# Altium PCB RK_NVR_DEMO1_RK3588_LP4XD200P232SD8_V21_20211228_final_lint.PcbDoc (part 6 of 29)
Units mm, origin at the board's own origin, x right, y up, seen from the top; angles counter-clockwise.
Board outline 170.08 x 169.98 mm, 8 copper layers (TOP, L2-GND1, L3-POWER1, L4-S1, L5-GND2, L6-S2, L7-GND3, BOTTOM), stack 2.118 mm thick; 1650 components, 1119 nets, 6165 pads, 15417 vias.
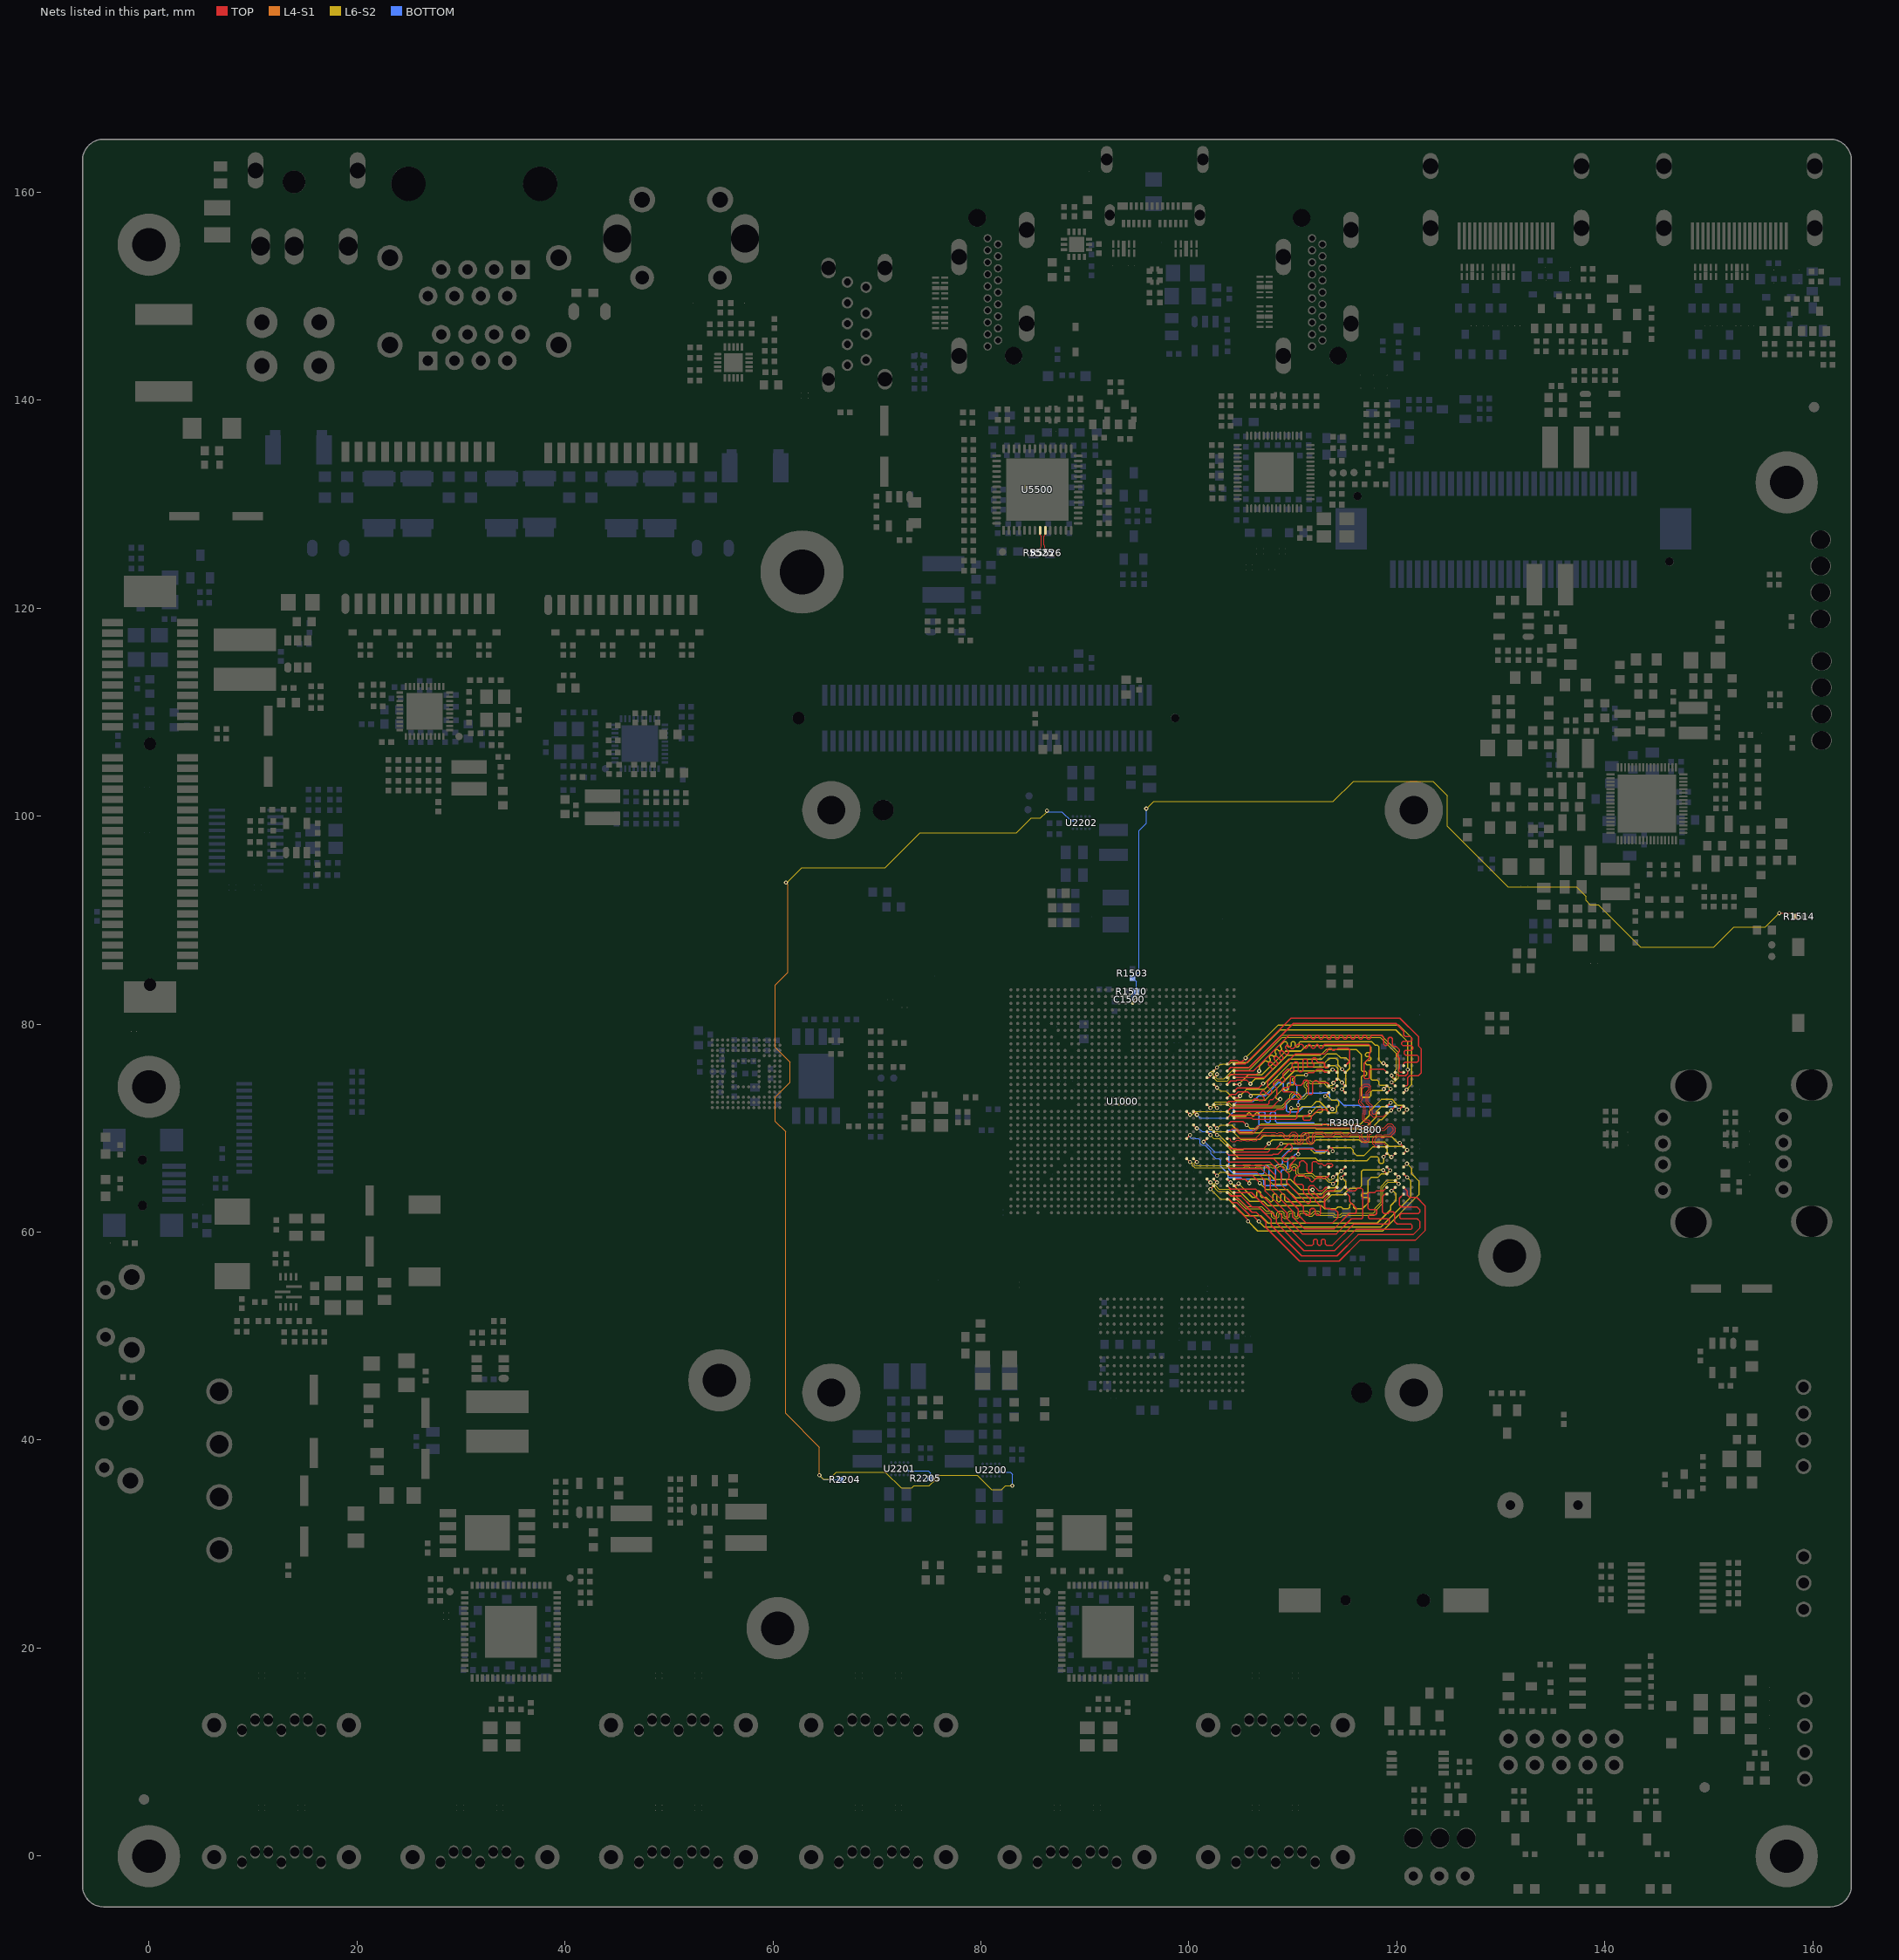
[diagram p12: the nets of this part, all layers, seen from the top]

## Via types
v1: diameter 0.4, hole 0.2, TOP to BOTTOM, 1688 vias
v2: diameter 0.4/0.4 (per signal layer), hole 0.2, TOP to L2-GND1, 1605 vias
v3: diameter 0/0/0/0/0/0/0/0.4 (per signal layer), hole 0.2, TOP to BOTTOM, 1253 vias
v4: diameter 0.4/0/0/0/0/0/0/0 (per signal layer), hole 0.2, TOP to BOTTOM, 1253 vias
v5: diameter 0.5, hole 0.3, TOP to BOTTOM, 857 vias
v6: diameter 0.4/0.4/0.4/0.4/0.4 (per signal layer), hole 0.2, L4-S1 to BOTTOM, 836 vias
v7: diameter 0/0/0/0/0/0/0/0.5 (per signal layer), hole 0.3, TOP to BOTTOM, 772 vias
v8: diameter 0.5/0/0/0/0/0/0/0 (per signal layer), hole 0.3, TOP to BOTTOM, 772 vias
v9: diameter 0.5/0.5 (per signal layer), hole 0.3, TOP to L2-GND1, 766 vias
v10: diameter 0.4/0.4 (per signal layer), hole 0.2, L7-GND3 to BOTTOM, 611 vias
v11: diameter 0.4/0.4/0.4/0.4 (per signal layer), hole 0.2, L5-GND2 to BOTTOM, 579 vias
v12: diameter 0.4 (per signal layer), hole 0.2, L6-S2 to L6-S2, 535 vias
v13: diameter 0.5/0.5/0.5/0.5/0.5 (per signal layer), hole 0.3, L4-S1 to BOTTOM, 457 vias
v14: diameter 0.5/0.5/0.5/0.5 (per signal layer), hole 0.3, L5-GND2 to BOTTOM, 455 vias
v15: diameter 0.4 (per signal layer), hole 0.2, L5-GND2 to L5-GND2, 418 vias
v16: diameter 0.5/0.5/0.5 (per signal layer), hole 0.3, TOP to L3-POWER1, 306 vias
v17: diameter 0.4 (per signal layer), hole 0.2, L4-S1 to L4-S1, 300 vias
v18: diameter 0.4/0.4/0.4 (per signal layer), hole 0.2, TOP to L3-POWER1, 287 vias
v19: diameter 0.5 (per signal layer), hole 0.3, L3-POWER1 to L3-POWER1, 242 vias
v20: diameter 0.5 (per signal layer), hole 0.3, L4-S1 to L4-S1, 240 vias
v21: diameter 0.5/0.5 (per signal layer), hole 0.3, L7-GND3 to BOTTOM, 192 vias
v22: diameter 0.5 (per signal layer), hole 0.3, L6-S2 to L6-S2, 166 vias
v23: diameter 0.4/0.4/0.4/0.4/0.4 (per signal layer), hole 0.2, TOP to L5-GND2, 134 vias
v24: diameter 0.5 (per signal layer), hole 0.3, L5-GND2 to L5-GND2, 114 vias
v25: diameter 0.5/0.5 (per signal layer), hole 0.3, L3-POWER1 to L4-S1, 111 vias
v26: diameter 0.4 (per signal layer), hole 0.2, L3-POWER1 to L3-POWER1, 93 vias
v27: diameter 0.4/0.4 (per signal layer), hole 0.2, L4-S1 to L5-GND2, 59 vias
v28: diameter 0.4/0.4/0/0/0.4/0/0.4/0.4 (per signal layer), hole 0.2, TOP to BOTTOM, 56 vias
v29: diameter 0.4/0/0/0.4/0/0/0/0.4 (per signal layer), hole 0.2, TOP to BOTTOM, 51 vias
v30: diameter 0.5/0.5 (per signal layer), hole 0.3, L4-S1 to L5-GND2, 46 vias
v31: diameter 0.4/0/0/0/0/0.4/0/0.4 (per signal layer), hole 0.2, TOP to BOTTOM, 42 vias
v32: diameter 0.5/0.5/0.5/0.5/0.5 (per signal layer), hole 0.3, TOP to L5-GND2, 32 vias
v33: diameter 0.4/0.4 (per signal layer), hole 0.2, L3-POWER1 to L4-S1, 29 vias
v34: diameter 0.4/0/0.4/0/0/0/0/0.4 (per signal layer), hole 0.2, TOP to BOTTOM, 29 vias
v35: diameter 0.4/0.4/0/0/0.4/0.4/0.4/0.4 (per signal layer), hole 0.2, TOP to BOTTOM, 21 vias
v36: diameter 0.5/0.5/0.5/0/0.5/0.5/0.5/0.5 (per signal layer), hole 0.3, TOP to BOTTOM, 4 vias
v37: diameter 0.5/0.5/0/0.5/0.5/0.5/0.5/0.5 (per signal layer), hole 0.3, TOP to BOTTOM, 3 vias
v38: diameter 0.4/0/0.4/0.4/0/0/0/0.4 (per signal layer), hole 0.2, TOP to BOTTOM, 2 vias
v39: diameter 0.4/0.4/0.4/0/0.4/0/0.4/0.4 (per signal layer), hole 0.2, TOP to BOTTOM, 1 vias

## Nets (pads, with @x,y where several pads share a name; then routed paths per layer and width w, separated by ;. In a path a pad name is that pad's centre, name@x,y a point inside that pad or via, vN(x,y) a via of type N, cw(c..) or ccw(c..) an arc to the next point about the centre after c; other vN are vias at no path point)
BIG/NPU_EN: R2204.2 R2205.1 U2200.A2 U2201.A2 U2202.A2 | length 120.2
  L4-S1 w0.102: v4(61.256,93.612) 61.459,93.409 61.459,84.976 60.24,83.757 60.24,77.762 61.663,76.34 61.663,74.41 60.24,72.987 60.24,70.65 61.231,69.66 61.231,42.568 64.472,39.327 v4(64.472,36.614)
  L6-S2 w0.102: v4(61.256,93.612) 61.358,93.612 62.78,95.034 70.807,95.034 74.159,98.387 83.405,98.387 84.827,99.81 85.742,99.81 86.351,100.419 v4(86.351,100.521) ; v4(64.472,36.614) 64.828,36.259 65.422,36.259 66.082,36.919 70.807,36.919 72.331,35.395 73.347,35.395 73.55,35.598 75.023,35.598 v4(75.683,36.259) 76.039,36.614 79.646,36.614 81.017,35.243 82.008,35.243 82.389,35.624 83.016,35.624 v4(83.02,35.62)
  BOTTOM w0.102: v4(64.472,36.614) 64.879,36.208 R2204.2@66.496,36.208 ; U2201.A2@72.984,37.049 74.943,37.049 75.175,36.818 75.175,36.381 R2205.1@75.132,36.337 75.605,36.337 v4(75.683,36.259) ; U2200.A2@81.773,36.922 82.814,36.922 83.02,36.716 v4(83.02,35.62) ; v4(86.351,100.521) 86.453,100.419 87.799,100.419 88.641,99.578 U2202.A2@88.847,99.578
  other v3: 83.02,35.62 75.683,36.259 64.472,36.614 61.256,93.612 86.351,100.521
  other v12: 83.02,35.62 75.683,36.259 64.472,36.614 61.256,93.612 86.351,100.521
  other v17: 64.472,36.614 61.256,93.612
BOOT_CONFIG: C1500.1 R1503.2 R1510.1 R1514.1 U1000.AM16 | length 93.6
  TOP w0.102: U1000.AM16@94.591,82.006 v4(94.916,82.331) ; v4(156.76,90.666) 157.936,90.666 R1514.1@158.24,90.361
  L6-S2 w0.102: v4(95.902,100.724) 96.613,101.435 113.885,101.435 115.815,103.366 123.453,103.366 124.858,101.96 124.858,99.014 130.666,93.206 137.253,93.206 138.167,92.291 138.167,91.885 138.57,91.482 139.383,91.482 143.451,87.414 150.461,87.414 152.391,89.345 155.439,89.345 v4(156.76,90.666)
  BOTTOM w0.089: v4(94.916,82.331) 94.887,82.36 C1500.1@94.515,82.36 94.515,82.733 R1510.1@94.929,83.147 94.929,84.076 R1503.2@94.581,84.424 95.191,85.034 95.191,86.906
  BOTTOM w0.102: 95.191,86.906 95.191,98.59 95.902,99.302 v4(95.902,100.724)
  other v3: 94.916,82.331 156.76,90.666 95.902,100.724
  other v12: 156.76,90.666 95.902,100.724
CKDN: R5525.2 U5500.8 | length 2
  TOP w0.076: R5525.2@85.581,125.561 ccw(c85.06,126.083) 85.797,126.083 85.797,126.931 85.687,127.041 U5500.8@85.687,127.482
CKDP: R5526.2 U5500.9 | length 2
  TOP w0.076: U5500.9@86.187,127.482 86.187,127.041 86.077,126.931 86.077,126.083 ccw(c86.814,126.083) R5526.2@86.293,125.561
DDR_CH0_A0_A: U1000.T7 U3800.H2 | length 21.4
  TOP w0.127: U1000.T7@100.44,71.606 v4(100.765,71.281) ; U3800.H2@113.441,72.107 113.576,71.971 113.664,71.971 113.791,71.844 v4(113.791,71.832)
  BOTTOM w0.089: v4(100.765,71.281) 101.09,70.956 103.675,70.956 103.7,70.981
  BOTTOM w0.127: 103.7,70.981 104.284,71.565 104.284,72.2 104.665,72.581 106.189,72.581 106.697,73.089 107.332,73.089 108.602,74.359 108.97,74.359 109.082,74.247 109.082,73.708 109.193,73.597 109.351,73.597 109.463,73.708 109.463,74.247 109.574,74.359 110.126,74.359 110.38,74.105 110.38,73.343 109.364,72.327 109.364,71.692 109.516,71.539 110.507,71.539 110.977,72.009 113.614,72.009 v4(113.791,71.832)
  other v3: 100.765,71.281 113.791,71.832
DDR_CH0_A0_B: U1000.M8 U3800.R2 | length 21.2
  TOP w0.127: U1000.M8@99.791,69.006 v3@100.115,69.331 ; v4(110.507,67.501) 110.507,67.882 110.634,68.009 112.031,68.009 112.158,67.882 113.301,67.882 113.441,67.742 U3800.R2@113.441,67.556
  BOTTOM w0.089: v4(100.115,69.331) 100.115,69.114 100.204,69.025 100.613,69.025 100.631,69.006 100.873,69.006 100.874,69.005 100.9,69.005 101.091,68.815 101.091,68.547 101.281,68.356 101.549,68.356 102.125,67.781 102.125,67.513 102.582,67.056 102.887,67.056 103.04,66.903 103.04,66.331
  BOTTOM w0.127: 103.04,66.331 103.776,65.596 103.776,65.304 103.865,65.215 105.026,65.215 105.153,65.088 107.078,65.088 107.205,64.961 107.205,64.58 107.332,64.453 109.311,64.453 109.438,64.58 109.438,64.935 109.311,65.062 109.008,65.062 108.856,65.215 108.856,65.85 108.983,65.977 109.364,65.977 109.491,66.104 109.491,66.993 109.618,67.12 109.872,67.12 110.253,67.501 v4(110.507,67.501)
  other v3: 110.507,67.501 100.115,69.331
DDR_CH0_A1_A: U1000.T8 U3800.J2 | length 20.5
  TOP w0.127: U1000.T8@99.791,71.606 v4(100.115,71.281) ; v31(111.65,71.565) 111.65,71.438 111.396,71.184 111.091,71.184 110.964,71.057 110.964,70.877 111.091,70.75 111.597,70.75 111.777,70.93 111.777,71.108 112.45,71.781 113.212,71.781 113.441,71.552 U3800.J2@113.441,71.457
  L6-S2 w0.089: v4(100.115,71.281) 100.292,71.281 100.616,71.606 101.703,71.606 102.506,71.605 103.5,71.606 103.541,71.565 103.56,71.565 103.649,71.476 103.827,71.476
  L6-S2 w0.127: 103.827,71.476 104.144,71.158 105.488,71.158 105.6,71.27 105.6,71.352 105.711,71.463 105.869,71.463 105.981,71.352 105.981,71.27 106.092,71.158 106.25,71.158 106.362,71.27 106.362,71.352 106.473,71.463 106.631,71.463 106.743,71.352 106.743,71.27 106.854,71.158 111.828,71.158 112.181,71.512 112.716,71.512 112.843,71.639 112.843,71.869 112.666,72.046 112.258,72.046 111.777,71.565 v31(111.65,71.565)
  other v3: 100.115,71.281
  other v12: 100.115,71.281
DDR_CH0_A1_B: U1000.M5 U3800.P2 | length 20.6
  TOP w0.127: v4(101.416,68.681) U1000.M5@101.741,69.006 ; U3800.P2@113.441,68.206 113.511,68.136 113.698,68.136 113.825,68.009 v1(113.825,67.784)
  BOTTOM w0.089: v4(101.416,68.681) 101.52,68.681 102.496,67.705 103.571,67.705
  BOTTOM w0.127: 103.571,67.705 103.839,67.437 103.839,66.04 104.284,65.596 107.109,65.596 107.22,65.707 107.22,66.246 107.332,66.358 107.586,66.358 107.713,66.231 107.713,65.088 107.84,64.961 108.221,64.961 108.348,65.088 108.348,66.358 108.475,66.485 108.856,66.485 108.983,66.612 108.983,67.247 109.821,68.085 111.904,68.085 112.234,67.755 113.248,67.755 113.375,67.882 113.375,68.009 113.502,68.136 113.682,68.136 113.809,68.009 113.809,67.8 v1(113.825,67.784)
  other v3: 101.416,68.681
DDR_CH0_A2_A: U1000.P4 U3800.H9 | length 19.6
  TOP w0.127: U1000.P4@102.391,70.306 v4(102.716,69.981) ; U3800.H9@119.041,72.107 119.066,72.107 v31(119.392,72.433)
  L6-S2 w0.089: v4(102.716,69.981) 103.04,70.306 104.131,70.306
  L6-S2 w0.127: 104.131,70.306 104.904,69.533 106.824,69.533 107.307,70.015 112.158,70.015 112.234,69.939 116.882,69.939 118,71.057 118,71.565 118.481,72.046 119.006,72.046 v31(119.392,72.433)
  other v3: 102.716,69.981
  other v12: 102.716,69.981
DDR_CH0_A2_B: U1000.N5 U3800.R9 | length 19.8
  TOP w0.127: U1000.N5@101.741,69.656 v4(102.066,69.331) ; v4(118.716,67.232) U3800.R9@119.041,67.556
  L6-S2 w0.089: v4(102.066,69.331) 102.391,69.006 102.906,69.006 103.103,68.809
  L6-S2 w0.127: 103.103,68.809 104.792,67.12 112.158,67.12 112.412,66.866 117.111,66.866 117.492,67.247 118.127,67.247 118.254,67.12 118.254,66.739 118.39,66.603 118.626,66.603 118.716,66.693 v4(118.716,67.232)
  other v3: 118.716,67.232 102.066,69.331
  other v12: 118.716,67.232 102.066,69.331
DDR_CH0_A3_A: U1000.P5 U3800.H10 | length 20
  TOP w0.127: U1000.P5@101.741,70.306 v4(102.066,69.981) ; v31(119.437,71.703) U3800.H10@119.841,72.107
  L6-S2 w0.089: v4(102.066,69.981) 102.387,69.66 102.578,69.66 102.581,69.656 102.85,69.656 102.853,69.66 103.228,69.66 103.231,69.656 103.5,69.656 103.503,69.66 104.233,69.66
  L6-S2 w0.127: 104.233,69.66 104.995,68.898 106.824,68.898 107.179,69.253 110.989,69.253 111.269,69.533 117.111,69.533 118.381,70.803 118.537,70.803 v31(119.437,71.703)
  other v3: 102.066,69.981
  other v12: 102.066,69.981
DDR_CH0_A3_B: U1000.N4 U3800.R10 | length 20.1
  TOP w0.127: U1000.N4@102.391,69.656 v4(102.716,69.331) ; v4(119.473,67.214) 119.498,67.214 U3800.R10@119.841,67.556
  L6-S2 w0.089: v4(102.716,69.331) 102.907,69.331 103.231,69.006
  L6-S2 w0.127: 103.231,69.006 104.331,67.907 105.211,67.907 105.313,68.009 111.65,68.009 112.031,67.628 113.047,67.628 113.546,68.127 115.555,68.127 115.783,67.9 115.783,67.707 116.117,67.374 116.857,67.374 117.696,68.213 118.846,68.213 119.025,68.034 119.047,68.011 119.047,67.615 119.448,67.214 v4(119.473,67.214)
  other v3: 119.473,67.214 102.716,69.331
  other v12: 119.473,67.214 102.716,69.331
DDR_CH0_A4_A: U1000.R1 U3800.H11 | length 19.3
  TOP w0.127: U1000.R1@104.341,70.956 106.062,70.956 106.164,70.854 110.253,70.854 110.38,70.981 110.38,71.438 110.507,71.565 v4(110.507,72.225) ; v1(120.205,71.773) 120.539,72.107 U3800.H11@120.641,72.107
  BOTTOM w0.127: v4(110.507,72.225) 110.507,72.581 111.294,73.368 112.818,73.368 112.869,73.419 113.352,73.419 113.529,73.241 113.529,72.886 113.72,72.695 114.38,72.695 114.876,72.2 116.349,72.2 116.502,72.046 119.931,72.046 v1(120.205,71.773)
  other v3: 110.507,72.225
DDR_CH0_A4_B: U1000.K1 U3800.R11 | length 18
  TOP w0.127: U1000.K1@104.341,67.705 107.586,67.706 107.889,68.009 108.373,68.009 108.852,68.488 v4(108.877,68.488) ; U3800.R11@120.641,67.556 v4(120.981,67.897)
  L6-S2 w0.127: v4(108.877,68.488) 111.844,68.488 112.214,68.858 116.389,68.858 116.603,68.644 118.844,68.644 119.25,68.237 120.641,68.237 v4(120.981,67.897)
  other v3: 120.981,67.897 108.877,68.488
  other v12: 120.981,67.897 108.877,68.488
DDR_CH0_A5_A: U1000.P2 U3800.J11 | length 20
  TOP w0.127: U1000.P2@103.691,70.306 104.006,70.621 105.227,70.621 v4(105.554,70.295) ; U3800.J11@120.641,71.457 v31(120.965,71.781)
  L6-S2 w0.127: v4(105.554,70.295) 105.868,69.98 106.509,69.98 106.925,70.396 112.666,70.396 112.717,70.346 116.454,70.346 117.338,71.229 117.338,71.592 118.53,72.784 119.317,72.784 ; 119.318,72.783 119.528,72.783 119.736,72.575 119.736,72.521 120.082,72.174 120.573,72.174 v31(120.965,71.781)
  other v3: 105.554,70.295
  other v12: 105.554,70.295
DDR_CH0_A5_B: U1000.L2 U3800.P11 | length 18
  TOP w0.127: U1000.L2@103.691,68.356 104.016,68.031 104.509,68.031 104.534,68.005 107.176,68.005 v4(107.684,68.513) ; v4(120.265,68.582) U3800.P11@120.641,68.206
  L6-S2 w0.127: v4(107.684,68.513) 108.043,68.872 111.243,68.872 111.523,69.152 119.524,69.152 120.093,68.582 v4(120.265,68.582)
  other v3: 107.684,68.513 120.265,68.582
  other v12: 107.684,68.513 120.265,68.582
DDR_CH0_CLKN_A: U1000.N1 U3800.J9 | length 23.3
  TOP w0.102: U1000.N1@104.341,69.656 104.44,69.755 104.562,69.755 104.839,69.478 106.168,69.478 106.726,70.037 117.263,70.037 117.483,70.258 117.483,70.57 117.263,70.79 117.003,70.79 116.901,70.892 116.901,71.321 116.984,71.404 116.984,72.03 116.543,72.471 116.543,72.614 116.679,72.75 116.679,73.766 116.941,74.029 117.187,74.029 117.289,73.927 117.289,73.681 117.035,73.427 117.035,72.42 117.416,72.039 117.416,71.35 117.708,71.057 117.906,71.057 117.982,71.133 118.717,71.133 U3800.J9@119.041,71.457
DDR_CH0_CLKN_B: U1000.M1 U3800.P9 | length 25.9
  TOP w0.102: U1000.M1@104.341,69.006 104.366,69.031 106.449,69.031 106.998,69.58 108.305,69.58 108.403,69.482 108.546,69.482 108.644,69.58 108.969,69.58 109.356,69.193 109.499,69.193 109.92,69.615 110.232,69.615 110.453,69.394 110.453,69.067 110.375,68.99 110.375,68.768 110.477,68.667 110.698,68.667 110.8,68.769 110.8,69.372 111.021,69.593 111.333,69.593 111.555,69.372 111.555,68.741 111.644,68.651 111.77,68.651 111.876,68.758 111.876,69.36 112.148,69.631 112.869,69.631 113.138,69.362 113.732,69.362 114,69.631 114.604,69.631 114.873,69.362 115.285,69.362 115.502,69.58 116.399,69.58 116.62,69.36 116.62,69.086 116.877,68.829 117.06,68.829 117.162,68.93 117.162,69.457 117.314,69.609 117.441,69.609 118.034,70.202 118.346,70.202 118.559,69.99 118.711,69.99 119.136,70.415 119.472,70.415 119.872,70.014 119.872,69.678 119.372,69.178 118.889,69.178 118.791,69.08 118.479,69.08 118.381,69.178 118.127,69.178 117.881,68.932 117.881,68.568 117.932,68.517 118.73,68.517 U3800.P9@119.041,68.206
DDR_CH0_CLKP_A: U1000.N2 U3800.J8 | length 23.7
  TOP w0.102: U1000.N2@103.691,69.656 103.899,69.656 104.201,69.958 104.646,69.958 104.923,69.682 106.083,69.682 106.642,70.24 112.815,70.24 112.996,70.422 113.145,70.422 113.326,70.24 113.491,70.24 113.672,70.422 113.881,70.422 114.063,70.24 114.444,70.24 114.625,70.422 114.77,70.422 114.943,70.249 115.087,70.249 115.26,70.422 115.405,70.422 115.587,70.24 117.179,70.24 117.28,70.342 117.28,70.485 117.179,70.587 116.919,70.587 116.698,70.808 116.698,71.406 116.781,71.489 116.781,71.946 116.34,72.387 116.34,72.699 116.476,72.835 116.476,73.851 116.857,74.232 117.271,74.232 117.492,74.011 117.492,73.597 117.238,73.343 117.238,72.505 117.619,72.124 117.619,71.434 117.721,71.332 117.894,71.332 118.058,71.496 118.201,71.496 U3800.J8@118.241,71.457
DDR_CH0_CLKP_B: U1000.M2 U3800.P8 | length 26.2
  TOP w0.102: U1000.M2@103.691,69.006 103.913,69.006 104.025,68.893 104.025,68.809 104.13,68.704 104.343,68.701 104.469,68.701 104.595,68.828 104.792,68.828 104.849,68.771 105.115,68.771 105.173,68.828 105.427,68.828 105.484,68.771 105.808,68.771 105.865,68.828 106.062,68.828 106.119,68.771 106.476,68.771 106.65,68.945 106.743,68.945 106.968,69.169 106.968,69.262 107.082,69.377 107.361,69.377 107.459,69.279 107.84,69.279 107.938,69.377 108.221,69.377 108.319,69.279 108.631,69.279 108.729,69.377 108.885,69.377 109.271,68.99 109.583,68.99 110.004,69.411 110.148,69.411 110.25,69.31 110.25,69.152 110.172,69.074 110.172,68.684 110.392,68.464 110.782,68.464 111.003,68.685 111.003,69.288 111.106,69.39 111.249,69.39 111.352,69.288 111.352,68.656 111.56,68.448 111.854,68.448 112.08,68.674 112.08,69.275 112.232,69.428 112.785,69.428 113.053,69.159 113.816,69.159 114.085,69.428 114.52,69.428 114.789,69.159 115.369,69.159 115.587,69.377 116.315,69.377 116.416,69.275 116.416,69.002 116.793,68.625 117.144,68.625 117.365,68.846 117.365,69.372 117.398,69.406 117.525,69.406 118.119,69.999 118.262,69.999 118.474,69.787 118.795,69.787 119.22,70.211 119.388,70.211 119.669,69.93 119.669,69.762 119.288,69.381 118.804,69.381 118.706,69.283 118.563,69.283 118.465,69.381 118.043,69.381 117.678,69.016 117.678,68.483 117.898,68.263 118.184,68.263 U3800.P8@118.241,68.206
DDR_CH0_DM0_A: U1000.Y4 U3800.C3 | length 13.8
  TOP w0.127: U1000.Y4@102.391,74.206 v4(102.716,73.881) ; v31(113.809,75.629) 113.968,75.629 U3800.C3@114.241,75.356
  L6-S2 w0.089: v4(102.716,73.881) 103.041,73.555 103.563,73.555 103.725,73.394
  L6-S2 w0.127: 103.725,73.394 104.411,72.708 107.347,72.708 110.141,75.502 113.682,75.502 v31(113.809,75.629)
  other v3: 102.716,73.881
  other v12: 102.716,73.881
DDR_CH0_DM0_B: U1000.G4 U3800.Y3 | length 13.7
  TOP w0.127: U1000.G4@102.391,65.756 v4(102.716,65.431) ; v4(111.878,64.072) 111.878,63.97 112.513,63.335 112.796,63.335 112.972,63.511 112.972,63.641 113.313,63.983 113.917,63.983 U3800.Y3@114.241,64.306
  L6-S2 w0.089: v4(102.716,65.431) 103.053,65.768 103.527,65.768 103.725,65.57
  L6-S2 w0.127: 103.725,65.57 103.827,65.469 107.84,65.469 108.246,65.062 109.77,65.062 110.761,64.072 v4(111.878,64.072)
  other v3: 111.878,64.072 102.716,65.431
  other v12: 111.878,64.072 102.716,65.431
DDR_CH0_DM1_A: U1000.AB4 U3800.C10 | length 25.3
  TOP w0.127: U1000.AB4@102.391,75.506 v3@102.716,75.83 ; U3800.C10@119.841,75.356 120.165,75.032 120.832,75.032 121.048,75.248 v4(121.048,75.629)
  L6-S2 w0.089: v4(102.716,75.831) 103.022,76.137 103.213,76.137 103.231,76.155 103.5,76.155 103.518,76.137 103.903,76.137 104.055,76.289
  L6-S2 w0.127: 104.055,76.289 105.625,76.289 108.775,79.439 119.905,79.439 121.022,78.321 121.022,75.654 v4(121.048,75.629)
  other v3: 121.048,75.629 102.716,75.831
  other v12: 121.048,75.629 102.716,75.831
DDR_CH0_DM1_B: U1000.E4 U3800.Y10 | length 22.5
  TOP w0.127: v4(102.066,64.131) 102.256,64.321 ; 102.257,64.321 U1000.E4@102.391,64.456 ; v4(119.472,63.963) 119.498,63.963 U3800.Y10@119.841,64.306
  L6-S2 w0.089: v4(102.066,64.131) 103.04,63.156 103.802,63.156 103.827,63.132
  L6-S2 w0.127: 103.827,63.132 105.383,61.576 106.907,61.576 107.611,60.871 118.101,60.871 119.397,62.167 119.397,62.548 119.905,63.056 119.905,63.691 119.658,63.938 119.498,63.938 v4(119.472,63.963)
  other v3: 119.472,63.963 102.066,64.131
  other v12: 119.472,63.963 102.066,64.131
DDR_CH0_DQ0_A: U1000.U1 U3800.B2 | length 18
  TOP w0.127: U1000.U1@104.341,72.256 107.565,72.256 107.713,72.403 107.713,72.619 107.84,72.746 108.056,72.746 108.474,73.164 108.474,73.808 108.14,74.142 108.14,74.322 108.477,74.659 108.657,74.659 108.891,74.425 109.096,74.425 109.223,74.552 109.223,74.732 109.04,74.915 109.04,75.222 109.477,75.659 109.635,75.659 109.817,75.477 109.974,75.477 110.086,75.589 110.086,75.747 109.904,75.928 109.904,76.086 110.2,76.382 110.38,76.382 110.507,76.255 110.507,75.555 110.634,75.428 110.835,75.428 110.962,75.555 110.962,76.518 111.089,76.645 111.269,76.645 111.396,76.518 111.396,75.984 111.523,75.857 111.876,75.857 112.003,75.984 112.003,76.164 111.853,76.315 111.853,76.645 111.98,76.772 112.158,76.772 112.285,76.645 112.285,76.463 112.412,76.336 112.92,76.336 113.047,76.209 113.047,75.883 113.147,75.782 113.327,75.782 113.441,75.896 U3800.B2@113.441,76.006
DDR_CH0_DQ0_B: U1000.H1 U3800.AA2 | length 16.8
  TOP w0.127: U1000.H1@104.341,66.406 107.367,66.406 108.348,65.425 108.348,64.362 110.507,62.203 110.507,61.652 111.313,60.846 113.765,60.846 114.317,61.398 114.317,61.913 114.063,62.167 113.682,62.167 113.555,62.294 113.174,62.294 113.047,62.421 113.047,63.183 113.441,63.577 U3800.AA2@113.441,63.656
DDR_CH0_DQ1_A: U1000.T2 U3800.C2 | length 13.7
  TOP w0.127: U1000.T2@103.691,71.606 104.014,71.929 107.925,71.929 v4(108.779,72.784) ; v4(111.269,75.121) 111.497,75.349 112.005,75.349 112.332,75.676 112.771,75.676 113.065,75.382 113.415,75.382 U3800.C2@113.441,75.356
  L6-S2 w0.127: v4(108.779,72.784) 108.477,72.784 108.35,72.911 108.35,73.091 109.018,73.759 109.175,73.759 109.309,73.625 109.467,73.625 109.579,73.737 109.579,73.894 109.445,74.028 109.445,74.186 109.557,74.298 109.714,74.298 109.848,74.164 110.006,74.164 110.118,74.276 110.118,74.433 109.984,74.567 109.984,74.725 110.354,75.095 111.243,75.095 v4(111.269,75.121)
  other v3: 108.779,72.784 111.269,75.121
  other v12: 108.779,72.784 111.269,75.121
DDR_CH0_DQ1_B: U1000.J2 U3800.Y2 | length 18.7
  TOP w0.127: U1000.J2@103.691,67.055 103.691,66.866 103.818,66.739 107.753,66.739 108.856,65.636 108.856,64.573 111.015,62.414 111.015,61.913 111.312,61.615 111.523,61.615 111.65,61.742 111.65,62.167 111.75,62.267 112.031,62.267 112.158,62.14 112.158,61.742 112.285,61.615 112.495,61.615 112.666,61.786 112.666,62.497 112.158,63.005 112.158,63.183 111.523,63.818 111.523,64.326 111.65,64.453 112.005,64.453 112.479,63.979 112.827,63.979 113.154,64.306 U3800.Y2@113.441,64.306
DDR_CH0_DQ2_A: U1000.T1 U3800.E2 | length 18.8
  TOP w0.127: U1000.T1@104.341,71.606 104.366,71.581 108.237,71.581 108.475,71.819 109.11,71.819 109.237,71.945 109.237,72.454 109.565,72.782 110.634,72.782 110.761,72.909 110.761,73.089 110.634,73.216 110.253,73.216 109.999,73.47 109.11,73.47 108.983,73.597 108.983,73.777 109.11,73.904 109.544,73.904 109.745,74.105 109.745,74.841 109.872,74.968 110.052,74.968 110.179,74.841 110.179,74.232 110.306,74.105 110.761,74.105 111.015,74.359 111.015,74.511 111.116,74.613 111.343,74.613 111.47,74.486 111.47,73.341 111.597,73.214 111.777,73.214 111.904,73.341 111.904,74.359 112.132,74.587 112.285,74.587 112.488,74.384 113.314,74.384 113.441,74.257 U3800.E2@113.441,74.056
DDR_CH0_DQ2_B: U1000.J1 U3800.V2 | length 17.5
  TOP w0.127: U1000.J1@104.341,67.055 108.154,67.056 109.618,65.592 109.618,65.215 109.429,65.026 109.429,64.719 111.38,62.767 111.56,62.767 111.687,62.894 111.687,63.146 111.015,63.818 111.015,64.453 110.888,64.58 110.38,64.58 110.126,64.834 110.126,65.215 110.38,65.469 111.015,65.469 111.269,65.215 111.523,65.215 111.65,65.088 111.65,64.961 111.75,64.86 111.93,64.86 112.357,65.287 112.793,65.287 112.893,65.187 113.073,65.187 113.174,65.287 113.314,65.287 113.441,65.414 U3800.V2@113.441,65.606
DDR_CH0_DQ3_A: U1000.R2 U3800.F2 | length 15.1
  TOP w0.127: U1000.R2@103.691,70.956 104.017,71.282 109.589,71.282 109.77,71.463 109.77,71.844 v4(109.846,71.92) ; v4(113.107,73.072) U3800.F2@113.441,73.407
  L6-S2 w0.127: v4(109.846,71.92) 109.923,71.844 110.659,71.844 110.888,72.073 111.777,72.073 112.258,72.554 112.565,72.554 113.275,71.844 113.275,71.666 113.453,71.489 114.088,71.489 114.19,71.59 114.19,71.997 114.393,72.2 114.393,72.555 114.253,72.695 113.72,72.695 113.368,73.047 113.132,73.047 v4(113.107,73.072)
  other v3: 109.846,71.92 113.107,73.072
  other v12: 109.846,71.92 113.107,73.072
DDR_CH0_DQ3_B: U1000.K2 U3800.U2 | length 18.9
  TOP w0.127: U1000.K2@103.691,67.705 103.691,67.517 103.818,67.39 107.988,67.39 108.099,67.501 108.583,67.501 109.544,68.461 109.724,68.461 109.934,68.251 109.934,67.882 109.807,67.755 109.618,67.755 108.997,67.134 108.997,66.954 109.186,66.765 109.39,66.765 109.923,67.298 110.1,67.298 110.239,67.159 110.239,66.979 109.708,66.448 109.708,66.268 110.023,65.952 110.203,65.952 110.634,66.383 110.634,66.686 110.824,66.876 111.004,66.876 111.345,66.535 111.345,65.875 111.497,65.723 111.75,65.723 111.84,65.813 111.84,66.675 111.929,66.764 112.259,66.764 112.441,66.583 112.793,66.583 112.957,66.419 113.137,66.419 113.301,66.583 113.725,66.583 113.808,66.5 113.808,66.357 113.707,66.256 U3800.U2@113.441,66.256
DDR_CH0_DQ4_A: U1000.W1 U3800.F4 | length 16.4
  TOP w0.127: U1000.W1@104.341,73.556 104.636,73.851 106.697,73.851 v4(107.129,74.282) ; v31(114.716,73.731) U3800.F4@115.041,73.407
  L6-S2 w0.127: v4(107.129,74.282) 107.257,74.282 109.62,76.645 112.793,76.645 113.301,77.153 114.19,77.153 114.571,76.772 115.079,76.772 115.46,76.391 115.46,75.756 115.079,75.375 115.079,74.094 v31(114.716,73.731)
  other v3: 107.129,74.282
  other v12: 107.129,74.282
DDR_CH0_DQ4_B: U1000.F1 U3800.U4 | length 13.4
  TOP w0.127: U1000.F1@104.341,65.106 105.402,65.106 v4(105.804,64.703) ; v31(114.65,65.865) U3800.U4@115.041,66.256
  L6-S2 w0.127: v4(105.804,64.703) 105.804,64.957 105.935,65.088 107.586,65.088 108.094,64.58 109.618,64.58 110.507,63.691 112.793,63.691 113.377,64.275 114.012,64.275 114.317,64.58 114.317,65.533 v31(114.65,65.865)
  other v3: 105.804,64.703
  other v12: 105.804,64.703
DDR_CH0_DQ5_A: U1000.V2 U3800.E4 | length 14.4
  TOP w0.127: U1000.V2@103.691,72.906 104.022,73.238 104.483,73.238 104.715,73.47 105.681,73.47 105.935,73.216 v4(105.935,73.089) ; v31(114.716,74.381) U3800.E4@115.041,74.056
  L6-S2 w0.127: v4(105.935,73.089) 106.062,73.216 107.271,73.216 109.938,75.883 113.428,75.883 113.529,75.984 114.088,75.984 114.317,75.756 114.317,74.78 v31(114.716,74.381)
  other v3: 105.935,73.089
  other v12: 105.935,73.089
DDR_CH0_DQ5_B: U1000.G2 U3800.V4 | length 14.4
  TOP w0.127: U1000.G2@103.691,65.756 104.007,65.44 106.116,65.44 106.824,64.732 v4(106.824,64.707) ; v31(114.67,65.21) 114.67,65.235 U3800.V4@115.041,65.606
  L6-S2 w0.127: v4(106.824,64.707) 107.459,64.072 109.491,64.072 110.253,63.31 112.92,63.31 113.555,63.945 114.571,63.945 115.079,64.453 115.079,64.877 114.746,65.21 v31(114.67,65.21)
  other v3: 106.824,64.707
  other v12: 106.824,64.707
DDR_CH0_DQ6_A: U1000.V1 U3800.C4 | length 13.1
  TOP w0.127: U1000.V1@104.341,72.906 104.792,72.906 104.919,73.033 v4(104.919,73.089) ; v4(114.733,75.664) U3800.C4@115.041,75.356
  L6-S2 w0.127: v4(104.919,73.089) 104.919,73.114 105.528,73.724 107.238,73.724 109.778,76.264 113.047,76.264 113.479,76.696 114.139,76.696 114.317,76.518 114.317,76.08 v4(114.733,75.664)
  other v3: 104.919,73.089 114.733,75.664
  other v12: 104.919,73.089 114.733,75.664
DDR_CH0_DQ6_B: U1000.G1 U3800.Y4 | length 21
  TOP w0.127: U1000.G1@104.341,65.756 106.536,65.756 107.332,64.96 107.332,63.941 109.44,61.833 109.44,61.282 110.892,59.83 114.186,59.83 115.633,61.278 116.603,61.278 116.73,61.405 116.73,64.072 116.603,64.199 116.222,64.199 116.006,63.983 115.364,63.983 U3800.Y4@115.041,64.306
DDR_CH0_DQ7_A: U1000.U2 U3800.B4 | length 18.6
  TOP w0.127: U1000.U2@103.691,72.256 103.691,72.45 103.818,72.577 106.058,72.577 106.316,72.835 106.57,72.835 106.772,72.633 107.1,72.633 107.227,72.76 107.227,72.939 106.914,73.253 106.914,73.433 107.078,73.597 107.205,73.597 107.559,73.242 107.813,73.242 107.94,73.369 107.94,73.623 107.586,73.978 107.586,74.486 110.253,77.153 113.047,77.153 113.301,77.407 113.301,77.534 113.428,77.661 113.682,77.661 113.864,77.478 114.007,77.478 114.063,77.534 114.19,77.534 114.317,77.661 115.333,77.661 115.46,77.534 115.46,76.426 U3800.B4@115.041,76.006
DDR_CH0_DQ7_B: U1000.H2 U3800.AA4 | length 18.8
  TOP w0.127: U1000.H2@103.691,66.406 104.007,66.09 106.964,66.09 107.84,65.215 107.84,64.152 109.948,62.044 109.948,61.492 111.102,60.338 113.975,60.338 115.423,61.786 115.968,61.786 116.095,61.913 116.095,62.306 115.46,62.941 115.46,63.437 115.24,63.656 U3800.AA4@115.041,63.656
DDR_CH0_DQ8_A: U1000.AB2 U3800.B11 | length 28.1
  TOP w0.127: U1000.AB2@103.691,75.506 104.014,75.828 105.804,75.828 110.049,80.074 119.905,80.074 120.667,79.312 120.667,78.931 120.794,78.804 121.302,78.804 121.445,78.661 121.445,78.439 121.355,78.349 120.591,78.349 120.464,78.222 120.464,78.042 120.591,77.915 121.429,77.915 121.556,77.788 121.556,77.608 121.429,77.481 120.82,77.481 120.693,77.354 120.693,77.153 120.82,77.026 121.937,77.026 122.064,76.899 122.064,76.467 121.937,76.34 120.768,76.34 120.641,76.213 U3800.B11@120.641,76.006
DDR_CH0_DQ8_B: U1000.D2 U3800.AA11 | length 31.1
  TOP w0.127: U1000.D2@103.691,63.806 104.012,63.484 104.999,63.484 106.062,62.421 106.697,62.421 107.916,61.201 107.916,60.65 110.844,57.722 114.233,57.722 116.265,59.754 121.556,59.754 122.191,60.389 122.191,61.049 121.96,61.28 120.397,61.28 120.286,61.391 120.286,61.659 120.413,61.786 122.064,61.786 122.191,61.913 122.191,62.167 121.937,62.421 120.413,62.421 120.231,62.602 120.231,63.247 U3800.AA11@120.641,63.656
DDR_CH0_DQ9_A: U1000.AB1 U3800.C11 | length 26.8
  TOP w0.127: U1000.AB1@104.341,75.506 106.218,75.506 109.643,78.931 110.896,78.931 111.007,78.819 111.007,78.661 111.119,78.55 111.277,78.55 111.388,78.661 111.388,78.819 111.5,78.931 111.658,78.931 111.769,78.819 111.769,78.661 111.881,78.55 112.039,78.55 112.15,78.661 112.15,78.819 112.262,78.931 112.42,78.931 112.531,78.819 112.531,78.661 112.643,78.55 112.801,78.55 112.912,78.661 112.912,78.819 113.024,78.931 113.182,78.931 113.293,78.819 113.293,78.661 113.405,78.55 113.563,78.55 113.674,78.661 113.674,78.819 113.786,78.931 113.944,78.931 114.055,78.819 114.055,78.661 114.167,78.55 114.325,78.55 114.436,78.661 114.436,78.819 114.548,78.931 114.706,78.931 114.817,78.819 114.817,78.661 114.929,78.55 115.087,78.55 115.198,78.661 115.198,78.819 115.31,78.931 115.468,78.931 115.579,78.819 115.579,78.661 115.691,78.55 115.849,78.55 115.96,78.661 115.96,78.819 116.072,78.931 116.23,78.931 116.341,78.819 116.341,78.661 116.453,78.55 116.611,78.55 116.722,78.661 116.722,78.819 116.834,78.931 116.992,78.931 117.103,78.819 117.103,78.661 117.215,78.55 117.373,78.55 117.484,78.661 117.484,78.819 117.596,78.931 118.556,78.931 118.709,78.778 118.709,78.068 118.836,77.941 119.016,77.941 119.143,78.068 119.143,78.599 119.27,78.726 119.45,78.726 119.577,78.599 119.577,77.989 119.727,77.838 119.948,77.838 120.219,77.568 120.219,77.34 120.032,77.153 120.032,76.924 120.231,76.725 120.231,75.756 120.185,75.71 120.185,75.53 120.358,75.356 U3800.C11@120.641,75.356
DDR_CH0_DQ9_B: U1000.C1 U3800.Y11 | length 27.8
  TOP w0.127: U1000.C1@104.341,63.156 104.819,63.156 106.062,61.913 106.468,61.913 107.408,60.973 107.408,60.439 110.634,57.214 114.444,57.214 116.476,59.246 121.81,59.246 122.699,60.135 122.699,62.548 121.911,63.335 121.222,63.335 120.993,63.564 120.993,63.954 U3800.Y11@120.641,64.306
DDR_CH0_DQ10_A: U1000.AC1 U3800.E11 | length 26.5
  TOP w0.127: U1000.AC1@104.341,76.156 105.395,76.156 109.821,80.582 120.286,80.582 122.064,78.804 122.064,77.906 122.318,77.652 122.318,75.286 122.064,75.032 121.213,75.032 121.048,74.867 121.048,74.183 120.921,74.056 U3800.E11@120.641,74.056
DDR_CH0_DQ10_B: U1000.C2 U3800.V11 | length 22.5
  TOP w0.127: U1000.C2@103.691,63.156 103.895,63.156 104.227,62.824 104.643,62.824 105.935,61.532 106.214,61.532 v4(106.722,61.024) ; U3800.V11@120.641,65.606 120.649,65.606 v4(120.993,65.262)
  L6-S2 w0.127: v4(106.722,61.024) 107.256,60.49 118.459,60.49 121.309,63.34 121.309,64.946 v4(120.993,65.262)
  other v3: 106.722,61.024 120.993,65.262
  other v12: 106.722,61.024 120.993,65.262
DDR_CH0_DQ11_A: U1000.AC2 U3800.F11 | length 25.5
  TOP w0.127: U1000.AC2@103.691,76.156 104.024,76.489 104.693,76.489 104.795,76.387 105.093,76.387 v4(105.448,76.743) ; U3800.F11@120.641,73.407 v4(120.929,73.695)
  L6-S2 w0.127: v4(105.448,76.743) 105.448,76.768 108.602,79.921 120.184,79.921 121.403,78.702 121.403,74.169 v4(120.929,73.695)
  other v3: 120.929,73.695 105.448,76.743
  other v12: 120.929,73.695 105.448,76.743
DDR_CH0_DQ11_B: U1000.B1 U3800.U11 | length 24.2
  TOP w0.127: U1000.B1@104.341,62.506 105.696,61.151 v4(105.696,61.024) ; U3800.U11@120.641,66.256 v4(120.965,66.581)
  L6-S2 w0.127: v4(105.696,61.024) 106.61,60.109 118.617,60.109 122.109,63.602 122.109,64.915 121.429,65.596 121.429,66.118 v4(120.965,66.581)
  other v3: 105.696,61.024 120.965,66.581
  other v12: 105.696,61.024 120.965,66.581
DDR_CH0_DQ12_A: U1000.Y1 U3800.F9 | length 22.3
  TOP w0.127: U1000.Y1@104.341,74.206 v4(104.868,74.206) ; U3800.F9@119.041,73.407 v31(119.403,73.768)
  L6-S2 w0.089: v4(104.868,74.206) 104.868,74.282 105.153,74.568
  L6-S2 w0.127: 105.153,74.568 105.707,75.121 107.017,75.121 109.303,77.407 110.761,77.407 111.269,77.915 117.365,77.915 117.492,77.788 117.492,77.36 117.38,77.248 117.095,77.248 116.984,77.137 116.984,76.979 117.095,76.867 117.38,76.867 117.492,76.756 117.492,76.598 117.38,76.486 117.095,76.486 116.984,76.375 116.984,76.217 117.095,76.105 117.38,76.105 117.492,75.994 117.492,74.74 117.619,74.613 118.127,74.613 118.254,74.486 118.254,74.232 118.381,74.105 119.066,74.105 v31(119.403,73.768)
  other v3: 104.868,74.206
  other v12: 104.868,74.206
DDR_CH0_DQ12_B: U1000.F2 U3800.U9 | length 21.7
  TOP w0.127: U1000.F2@103.691,65.106 v4(104.017,64.779)
  L6-S2 w0.127: v4(104.017,64.779) 105.842,62.954 107.179,62.954 107.586,62.548 112.749,62.548 113.054,62.243 114.139,62.243 114.317,62.421 114.647,62.421 114.825,62.243 115.323,62.243 115.45,62.37 115.45,62.625 115.561,62.736 115.719,62.736 115.831,62.625 115.831,62.37 115.958,62.243 116.679,62.243 117.365,62.929 117.365,63.226 117.238,63.353 116.714,63.353 116.603,63.464 116.603,63.622 116.714,63.734 117.126,63.734 117.238,63.845 117.238,64.961 117.53,65.253 118.165,65.253 118.508,65.596 119.03,65.596 v31(119.366,65.932)
  other v3: 104.017,64.779
  other v12: 104.017,64.779
DDR_CH0_DQ13_A: U1000.Y2 U3800.E9 | length 22.7
  TOP w0.127: U1000.Y2@103.691,74.206 103.933,74.448 104.018,74.533 104.538,74.533 104.643,74.638 105.546,74.638 v4(105.919,74.266) ; v4(118.741,73.757) U3800.E9@119.041,74.056
  L6-S2 w0.127: v4(105.919,74.266) 105.919,74.291 106.367,74.74 107.176,74.74 109.462,77.026 112.666,77.026 113.174,77.534 116.12,77.534 116.603,77.051 116.603,75.551 116.714,75.439 116.999,75.439 117.111,75.328 117.111,75.17 116.999,75.058 116.714,75.058 116.603,74.947 116.603,73.089 116.73,72.962 117.365,72.962 117.492,73.089 117.492,73.47 117.619,73.597 118.581,73.597 v4(118.741,73.757)
  other v3: 118.741,73.757 105.919,74.266
  other v12: 118.741,73.757 105.919,74.266
DDR_CH0_DQ13_B: U1000.E1 U3800.V9 | length 20.7
  TOP w0.127: U1000.E1@104.341,64.456 104.432,64.456 104.567,64.456 v4(104.776,64.665)
  L6-S2 w0.127: v4(104.776,64.665) 106.105,63.335 106.402,63.335 106.513,63.447 106.513,63.833 106.625,63.945 106.783,63.945 106.894,63.833 106.894,63.447 107.006,63.335 107.433,63.335 107.84,62.929 107.967,62.929 108.078,63.04 108.078,63.579 108.19,63.691 108.348,63.691 108.459,63.579 108.459,63.04 108.571,62.929 108.729,62.929 108.84,63.04 108.84,63.579 108.952,63.691 109.11,63.691 109.221,63.579 109.221,63.04 109.333,62.929 113.052,62.929 113.712,63.589 114.85,63.589 115.46,64.199 116.349,64.199 116.603,64.453 116.603,65.85 116.73,65.977 118.67,65.977 v31(118.69,65.957)
  other v3: 104.776,64.665
  other v12: 104.776,64.665
DDR_CH0_DQ14_A: U1000.AA1 U3800.C9 | length 26.8
  TOP w0.127: U1000.AA1@104.341,74.856 104.366,74.881 107.262,74.881 107.978,75.597 107.978,75.754 107.661,76.072 107.661,76.229 107.773,76.341 107.93,76.341 108.248,76.024 108.405,76.024 108.517,76.136 108.517,76.293 108.2,76.611 108.2,76.768 108.312,76.88 108.469,76.88 108.787,76.563 108.944,76.563 109.056,76.675 109.056,76.832 108.739,77.15 108.739,77.307 108.851,77.419 109.008,77.419 109.326,77.102 109.483,77.102 109.595,77.214 109.595,77.371 109.278,77.689 109.278,77.846 109.39,77.958 109.547,77.958 109.865,77.641 110.022,77.641 110.423,78.042 110.89,78.042 111.001,77.93 111.001,77.772 111.113,77.661 111.271,77.661 111.382,77.772 111.382,77.93 111.494,78.042 111.652,78.042 111.763,77.93 111.763,77.772 111.875,77.661 112.033,77.661 112.144,77.772 112.144,77.93 112.256,78.042 112.414,78.042 112.525,77.93 112.525,77.772 112.637,77.661 112.795,77.661 112.906,77.772 112.906,77.93 113.018,78.042 117.314,78.042 117.441,77.915 117.441,77.254 117.339,77.153 117.339,76.746 116.831,76.238 116.831,74.867 116.958,74.74 117.238,74.74 117.365,74.867 117.365,75.553 117.492,75.68 118.718,75.68 U3800.C9@119.041,75.356
DDR_CH0_DQ14_B: U1000.E2 U3800.Y9 | length 29.1
  TOP w0.127: U1000.E2@103.691,64.456 104.015,64.132 106.423,64.132 108.932,61.622 108.932,61.071 111.265,58.738 111.872,58.738 111.983,58.849 111.983,59.21 112.095,59.322 112.253,59.322 112.364,59.21 112.364,58.849 112.476,58.738 112.634,58.738 112.745,58.849 112.745,59.21 112.857,59.322 113.015,59.322 113.126,59.21 113.126,58.849 113.238,58.738 113.812,58.738 115.844,60.77 119.143,60.77 119.27,60.897 119.27,61.151 119.143,61.278 117.365,61.278 117.264,61.378 117.264,61.558 117.365,61.659 117.949,61.659 118.076,61.786 118.076,62.04 117.949,62.167 117.365,62.167 117.238,62.294 117.238,63.691 117.365,63.818 117.873,63.818 118.034,63.979 118.714,63.979 U3800.Y9@119.041,64.306
DDR_CH0_DQ15_A: U1000.AA2 U3800.B9 | length 21.8
  TOP w0.127: U1000.AA2@103.691,74.856 104.016,75.181 106.502,75.181 106.759,75.437 v4(106.759,75.488) ; v4(118.711,76.238) 118.809,76.238 U3800.B9@119.041,76.006
  L6-S2 w0.127: v4(106.759,75.488) 106.759,75.919 107.306,76.466 107.463,76.466 107.564,76.365 107.722,76.365 107.834,76.477 107.834,76.634 107.733,76.735 107.733,76.893 107.845,77.005 108.002,77.005 108.103,76.904 108.261,76.904 108.373,77.016 108.373,77.173 108.272,77.274 108.272,77.432 108.384,77.544 108.541,77.544 108.642,77.443 108.8,77.443 108.912,77.555 108.912,77.712 108.811,77.813 108.811,77.971 109.148,78.308 109.336,78.308 109.447,78.197 109.447,77.899 109.559,77.788 109.717,77.788 109.828,77.899 109.828,78.197 109.94,78.308 110.098,78.308 110.209,78.197 110.209,77.899 110.321,77.788 110.479,77.788 110.59,77.899 110.59,78.197 110.702,78.308 117.58,78.308 117.91,77.978 118.127,77.978 118.279,77.826 118.279,76.518 118.559,76.238 v4(118.711,76.238)
  other v3: 106.759,75.488 118.711,76.238
  other v12: 106.759,75.488 118.711,76.238
DDR_CH0_DQ15_B: U1000.D1 U3800.AA9 | length 26.9
  TOP w0.127: U1000.D1@104.341,63.806 106.03,63.806 108.424,61.412 108.424,60.86 111.055,58.23 114.023,58.23 116.055,60.262 121.345,60.262 121.472,60.389 121.472,60.643 121.343,60.772 120.023,60.772 119.778,61.016 119.778,61.823 119.651,61.95 119.307,61.95 119.143,61.786 118.762,61.786 118.606,61.942 118.606,63.407 118.855,63.656 U3800.AA9@119.041,63.656
DDR_CH0_DQS0N_A: U1000.U4 U3800.E3 | length 15.9
  TOP w0.102: U1000.U4@102.391,72.256 v4(102.716,71.931) ; v4(113.894,73.698) 113.894,73.71 U3800.E3@114.241,74.056
  L6-S2 w0.097: v4(102.716,71.931) 102.594,71.931 102.492,72.033 102.492,72.176 102.642,72.327 103.674,72.327 104.04,71.961 109.049,71.961 109.931,72.843 109.931,73.114 110.095,73.277 110.299,73.277 110.401,73.176 110.401,73.055 110.622,72.835 111.091,72.835 111.523,73.267 111.523,73.851 111.294,74.08 111.294,74.223 111.425,74.355 111.62,74.355 111.692,74.283 112.75,74.283 112.785,74.317 112.996,74.317 113.098,74.215 113.098,74.147 113.323,73.922 113.792,73.922 113.894,73.82 v4(113.894,73.698)
  other v3: 102.716,71.931 113.894,73.698
  other v12: 102.716,71.931 113.894,73.698
DDR_CH0_DQS0N_B: U1000.J7 U3800.V3 | length 16.8
  TOP w0.102: U1000.J7@100.44,67.055 v4(100.765,66.731) ; v31(113.865,65.282) 114.19,65.606 U3800.V3@114.241,65.606
  L6-S2 w0.097: v4(100.765,66.731) 100.643,66.731 100.542,66.629 100.542,66.486 100.643,66.384 105.166,66.384 105.266,66.485 105.834,66.485 105.935,66.384 106.309,66.384 106.409,66.485 106.951,66.485 107.051,66.384 107.325,66.384 107.425,66.485 107.967,66.485 108.067,66.384 108.468,66.384 108.594,66.51 109.143,66.51 109.364,66.29 109.364,66.108 109.465,66.006 109.626,66.006 109.728,66.108 109.728,66.29 109.948,66.51 110.261,66.51 110.507,66.264 110.507,65.697 110.608,65.596 111.142,65.596 111.193,65.647 111.834,65.647 112.088,65.393 113.157,65.393 113.52,65.03 113.689,65.03 113.865,65.205 v31(113.865,65.282)
  other v3: 100.765,66.731
  other v12: 100.765,66.731
DDR_CH0_DQS0P_A: U1000.U5 U3800.D3 | length 16.2
  TOP w0.102: U1000.U5@101.741,72.256 v4(102.066,71.931) ; v4(113.894,74.348) 113.894,74.36 U3800.D3@114.241,74.706
  L6-S2 w0.097: v4(102.066,71.931) 102.187,71.931 102.289,72.033 102.289,72.261 102.558,72.53 103.758,72.53 104.124,72.164 108.964,72.164 109.728,72.928 109.728,73.198 110.01,73.481 110.384,73.481 110.604,73.26 110.604,73.14 110.706,73.038 111.007,73.038 111.32,73.351 111.32,73.766 111.09,73.996 111.09,74.308 111.341,74.558 111.704,74.558 111.777,74.486 112.666,74.486 112.7,74.52 113.08,74.52 113.301,74.3 113.301,74.232 113.408,74.125 113.792,74.125 113.894,74.226 v4(113.894,74.348)
  other v3: 102.066,71.931 113.894,74.348
  other v12: 102.066,71.931 113.894,74.348
DDR_CH0_DQS0P_B: U1000.J8 U3800.W3 | length 17.1
  TOP w0.102: U1000.J8@99.791,67.055 v4(100.115,66.731) ; v31(113.865,64.632) 114.19,64.956 U3800.W3@114.241,64.956
  L6-S2 w0.097: v4(100.115,66.731) 100.237,66.731 100.339,66.629 100.339,66.401 100.559,66.181 105.25,66.181 105.351,66.282 105.75,66.282 105.85,66.181 106.393,66.181 106.494,66.282 106.866,66.282 106.967,66.181 107.409,66.181 107.51,66.282 107.882,66.282 107.983,66.181 108.552,66.181 108.678,66.307 109.059,66.307 109.161,66.205 109.161,66.023 109.381,65.803 109.71,65.803 109.931,66.023 109.931,66.205 110.033,66.307 110.176,66.307 110.304,66.18 110.304,65.613 110.524,65.393 111.226,65.393 111.277,65.443 111.749,65.443 112.003,65.189 113.072,65.189 113.438,64.824 113.672,64.824 v31(113.865,64.632)
  other v3: 100.115,66.731
  other v12: 100.115,66.731
DDR_CH0_DQS1N_A: U1000.AA4 U3800.E10 | length 24.6
  TOP w0.102: U1000.AA4@102.391,74.856 v4(102.716,75.181) ; v4(119.49,74.407) U3800.E10@119.841,74.056
  L6-S2 w0.097: v4(102.716,75.181) 102.633,75.098 102.633,74.841 102.734,74.74 103.395,74.74 104.436,75.781 105.74,75.781 108.89,78.931 118.49,78.931 120.146,77.276 120.146,74.811 119.821,74.486 119.577,74.486 v4(119.49,74.407)
  other v3: 119.49,74.407 102.716,75.181
  other v12: 119.49,74.407 102.716,75.181
DDR_CH0_DQS1N_B: U1000.F4 U3800.V10 | length 25.2
  TOP w0.102: U1000.F4@102.391,65.106 v4(102.716,64.781) ; U3800.V10@119.841,65.606 v4(120.166,65.282)
  L6-S2 w0.097: v4(102.716,64.781) 102.594,64.781 102.492,64.679 102.492,64.536 102.88,64.148 103.86,64.148 105.543,62.465 106.991,62.465 107.416,62.04 107.935,62.04 108.143,61.832 108.143,61.596 108.232,61.506 108.359,61.506 108.448,61.596 108.448,61.832 108.656,62.04 108.951,62.04 109.159,61.832 109.159,61.596 109.248,61.506 109.375,61.506 109.464,61.596 109.464,61.832 109.672,62.04 109.967,62.04 110.175,61.832 110.175,61.596 110.264,61.506 110.391,61.506 110.48,61.596 110.48,61.832 110.688,62.04 111.353,62.04 111.642,61.751 111.785,61.751 112.073,62.04 112.445,62.04 112.674,61.811 113.893,61.811 114.045,61.659 114.537,61.659 114.69,61.811 117.738,61.811 117.877,61.95 117.877,62.298 118.457,62.878 118.457,64.402 119.067,65.012 119.896,65.012 v4(120.166,65.282)
  other v3: 102.716,64.781 120.166,65.282
  other v12: 102.716,64.781 120.166,65.282
DDR_CH0_DQS1P_A: U1000.AA5 U3800.D10 | length 25.6
  TOP w0.102: U1000.AA5@101.741,74.856 101.964,74.856 102.066,74.957 v4(102.066,75.181) ; v4(119.49,75.057) U3800.D10@119.841,74.706
  L6-S2 w0.097: v4(102.066,75.181) 102.066,75.374 102.167,75.476 102.277,75.476 102.379,75.374 102.379,74.808 102.65,74.537 103.7,74.537 103.903,74.74 103.903,74.96 104.063,75.121 104.216,75.121 104.428,75.333 104.428,75.485 104.52,75.578 105.825,75.578 108.974,78.728 118.406,78.728 119.942,77.191 119.942,75.666 119.85,75.574 119.85,75.303 119.942,75.21 119.942,74.904 119.786,74.748 119.642,74.748 119.516,74.875 119.516,75.031 v4(119.49,75.057)
  other v3: 119.49,75.057 102.066,75.181
  other v12: 119.49,75.057 102.066,75.181
DDR_CH0_DQS1P_B: U1000.F5 U3800.W10 | length 25.5
  TOP w0.102: U1000.F5@101.741,65.106 v4(102.066,64.781) ; U3800.W10@119.841,64.956 v31(120.166,64.632)
  L6-S2 w0.097: v4(102.066,64.781) 102.188,64.781 102.289,64.679 102.289,64.451 102.796,63.945 103.776,63.945 105.459,62.261 106.907,62.261 107.332,61.837 107.851,61.837 107.94,61.747 107.94,61.511 108.148,61.303 108.443,61.303 108.651,61.511 108.651,61.747 108.74,61.837 108.867,61.837 108.956,61.747 108.956,61.511 109.164,61.303 109.459,61.303 109.667,61.511 109.667,61.747 109.756,61.837 109.883,61.837 109.972,61.747 109.972,61.511 110.18,61.303 110.475,61.303 110.683,61.511 110.683,61.747 110.772,61.837 111.269,61.837 111.557,61.548 111.869,61.548 112.158,61.837 112.361,61.837 112.59,61.608 113.809,61.608 113.961,61.456 114.622,61.456 114.774,61.608 117.822,61.608 118.08,61.866 118.08,62.213 118.66,62.794 118.66,64.318 119.151,64.808 119.989,64.808 v31(120.166,64.632)
  other v3: 102.066,64.781
  other v12: 102.066,64.781
DDR_CH0_LP4/4X_CKE0/LP5_CS0_A: R3801.1 U1000.P7 | length 19.1
  TOP w0.089: U1000.P7@100.44,70.306 v4(100.765,69.981)
  BOTTOM w0.089: v4(100.765,69.981) 100.94,69.981 101.265,69.656 103.623,69.656
  BOTTOM w0.127: 103.623,69.656 103.754,69.787 106.252,69.787 106.729,70.263 106.729,71.47 106.824,71.565 107.205,71.565 107.332,71.438 107.332,70.676 107.459,70.549 107.713,70.549 107.84,70.676 107.84,71.438 107.967,71.565 108.221,71.565 108.348,71.438 108.348,70.65 108.475,70.523 111.98,70.523 112.132,70.371 114.981,70.371 R3801.1@115.079,70.273
  other v3: 100.765,69.981